# KiCad board processor.80C188.kicad_pcb (continued)
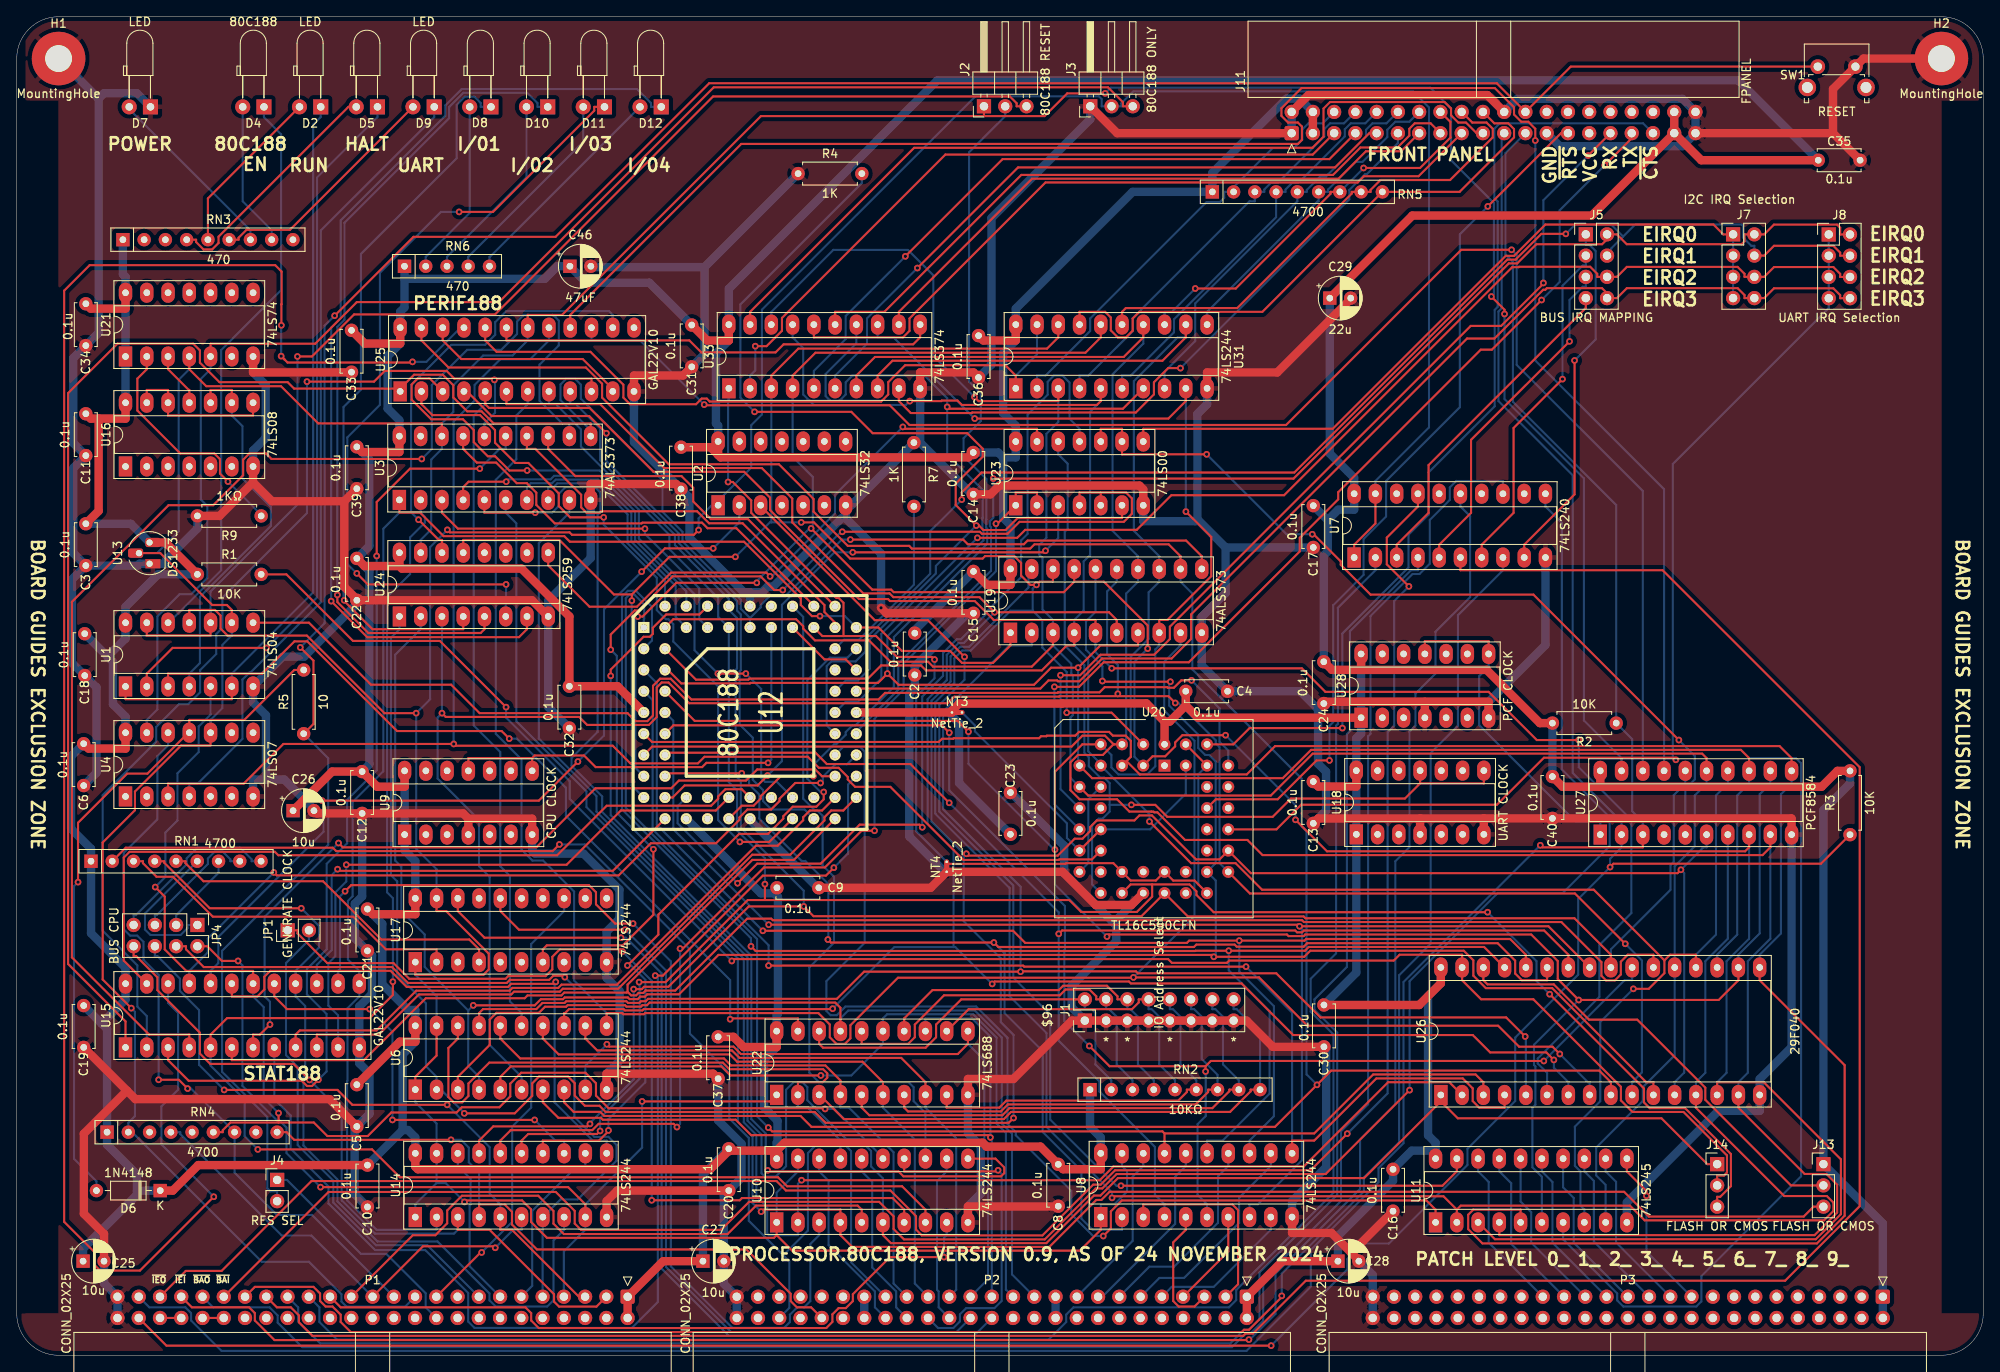
[diagram p0: board, top side]
## Routing (per net, layer and track width the routed paths; a pad name or vN(x,y) marks a point on that pad's centre or on a via; arc(x,y) is an arc through that point) (continued)
~{DEN}: length 93.8
  Top w0.25: v1(30.72,57.71) 31.07,57.36 71.94,57.36 75.78,61.21 83.57,61.21 86.36,64 86.36,64.28 87.32,65.24 90.15,65.24 91.16,66.25 91.16,66.53 93.03,68.41 v1(96.05,68.41)
  Bottom w0.25: U15.21 20.62,45.95 22.84,48.16 22.84,49.82 v1(30.72,57.71) ; v1(96.05,68.41) 96.33,68.69 96.33,69.15 97.83,70.64 99.22,70.64 U12.39
~{DREQ0}: length 144.1
  Top w0.25: RN1.2 13.03,60.67 37.77,60.67 38.18,60.26 64.05,60.26 v1(64.85,61.06)
  Bottom w0.25: 91.6,11.96 92.32,11.24 92.32,5.66 P2.46 ; 91.6,11.96 87.48,16.08 87.48,25.98 85.15,28.31 85.15,33.74 80.44,38.45 80.44,48.51 67.89,61.06 v1(64.85,61.06) ; 91.6,11.96 94.55,14.9 94.55,24.18 95.4,25.03 98.43,25.03 U10.17
~{DREQ1}: length 82
  Top w0.25: v1(51.9,25.75) 33.16,25.75 32.24,26.67 RN4.9 ; U14.4 55.25,18.05 58.29,18.05 59.18,17.15 59.18,15.63 62.17,12.65 87.2,12.65 92.48,7.36 92.48,6.47 93.23,5.73 94.93,5.73 P2.42
  Bottom w0.25: U14.4 55.25,21.84 54.02,23.07 54.02,24.82 53.09,25.75 v1(51.9,25.75)
~{EIRQ0}: length 238.5
  Top w0.25: v1(166.36,91.91) 163.72,94.55 163.72,97.74 167.44,101.46 U7.17 ; P1.45 20.2,10.08 24.48,10.08 35.22,20.83 90.79,20.83 91.92,19.69 104.4,19.69 107.46,16.63 107.46,15.02 108.16,14.32 122.56,14.32 128.63,20.39 129.53,20.39 131.25,22.11 154.62,22.11 v1(159,26.49)
  Bottom w0.25: v1(159,26.49) 163.82,31.31 163.82,74.47 164.6,75.25 164.6,90.15 v1(166.36,91.91)
~{EIRQ1}: length 242.9
  Top w0.25: v1(147.25,1.87) 147.19,1.82 30.8,1.82 28.46,4.16 28.46,5.04 27.77,5.73 20.93,5.73 P1.43
  Bottom w0.25: U7.15 172.52,101.46 173.68,100.3 173.68,90.62 169.54,86.48 169.54,81.48 167.14,79.08 167.14,75.25 166.43,74.54 166.43,60.74 164.74,59.05 164.74,29.98 160.53,25.76 160.53,19.88 150.42,9.78 150.42,4.95 147.35,1.87 v1(147.25,1.87)
~{EIRQ2}: length 248.6
  Bottom w0.25: P1.41 23.47,5.73 30.21,5.73 31.18,4.76 31.18,3.9 34.11,0.97 145.22,0.97 146.84,2.6 147.44,2.6 148.96,4.12 148.96,9.15 158.25,18.44 158.25,26.76 161.49,30.01 161.49,73.98 161.78,74.27 161.78,88.37 166.8,93.39 167.63,93.39 168.86,94.61 168.86,99.85 171.25,102.25 171.25,103.74 172.02,104.51 177.6,104.51 U7.13
~{EIRQ3}: length 250.1
  Top w0.25: P1.39 37.26,19.52 64.42,19.52 66.68,17.25 66.68,15.75 67.44,14.99 84.17,14.99 87.52,18.34 103.05,18.34 104.78,16.61 104.78,15.1 106.02,13.85 122.85,13.85 128.94,19.94 129.72,19.94 131.44,21.66 156.41,21.66 v1(166.45,31.69)
  Bottom w0.25: v1(166.45,31.69) 166.45,44.71 177,55.27 184.75,55.27 190.36,60.88 190.36,64.31 184.64,70.03 184.64,99.5 182.68,101.46 U7.11
~{EIRQ4}: length 228.7
  Top w0.25: v1(151.17,7.1) 151.17,6.96 147.25,3.05 146.66,3.05 146.38,2.77 39.92,2.77 38.71,3.98 38.71,4.85 37.74,5.82 36.91,5.82 36.25,6.49 36.25,7.39 35.46,8.18 28.46,8.18 P1.37
  Bottom w0.25: U7.8 177.6,93.84 172.22,88.46 172.22,75.25 168.97,72 168.97,49.2 165.19,45.42 165.19,25.46 160.98,21.25 160.98,19.57 151.17,9.76 v1(151.17,7.1)
~{EIRQ5}: length 310.7
  Top w0.25: U7.6 172.52,93.84 196.69,93.84 220.23,70.3 220.23,17.82 211.32,8.91 154.04,8.91 147.73,2.6 146.84,2.6 146.57,2.32 35.34,2.32 33.72,3.93 33.72,4.76 32.75,5.73 31.09,5.73 P1.35
~{EIRQ6}: length 222.3
  Bottom w0.25: U7.4 167.44,93.84 166.61,93.84 159.31,86.54 159.31,74.6 158.95,74.25 158.95,46.41 155.08,42.54 155.08,41.29 157.8,38.58 157.8,19.19 148.51,9.9 148.51,4.3 147.25,3.05 146.66,3.05 145.03,1.42 36.26,1.42 33.63,4.05 33.63,5.73 P1.33
~{EIRQ7}: length 214.4
  Bottom w0.25: P1.31 36.17,5.73 36.17,3.98 38.27,1.87 123.31,1.87 125.41,3.97 125.41,4.86 126.28,5.73 144.86,5.73 145.73,6.6 145.73,7.81 157.35,19.43 157.35,38.35 154.63,41.07 154.63,45 157.66,48.04 157.66,75.26 157.88,75.47 157.88,89.35 162.36,93.84 U7.2
~{EXT_RES}: length 310.8
  Top w0.25: R5.1 35.46,75.46 35.46,83.03 v1(33.88,84.61) ; SW1.1 185.71,154.04 J11.24 176.86,152.05 82.75,152.05 64.39,133.69 47.41,133.69 v1(37.99,124.27)
  Bottom w0.25: J4.2 31.11,19.6 30.31,19.6 29.94,19.96 29.94,28.48 24.53,33.89 24.53,48.34 37.22,61.03 37.22,71.37 R5.1 ; v1(33.88,84.61) 36.79,87.51 36.79,123.06 v1(37.99,124.27)
~{FP-LATCH-RD}: length 82.8
  Top w0.25: U31.1 119.38,117.11 118.14,118.35 106.17,118.35 104.15,116.32 104.15,114.85 103.3,114 82.81,114 82.45,114.36 81.85,114.36 81.17,113.68 73.29,113.68 72.49,114.48 72.49,116.01 68.56,119.95 57.35,119.95 55.98,121.31 U25.20
  Bottom w0.25: U31.19 121.93,119.65 119.38,117.11 U31.1
~{G_DATA}: length 102.1
  Top w0.25: v1(67.06,70.97) 62.38,66.29 v1(36.49,66.29) ; v1(83.23,96.45) 77.46,96.45 v1(74.68,93.67)
  Bottom w0.25: U15.20 23.16,45.95 24.08,46.87 24.08,50 36.66,62.58 36.66,66.12 v1(36.49,66.29) ; v1(67.06,70.97) 70.18,74.09 70.18,89.17 v1(74.68,93.67) ; U2.2 86.36,99.58 v1(83.23,96.45)
~{HALT}: length 72.8
  Top w0.25: P1.27 47.33,14.35 50.02,14.35 51.44,15.77 51.44,17.31 53.2,19.07 62.32,19.07 64.14,17.25 64.14,15.73 65.38,14.49 84.94,14.49 88.34,17.89 100.49,17.89 100.97,17.41 U10.5
~{INT-I2C}: length 100.6
  Top w0.25: v1(198.63,73.54) 181.24,90.92 161.79,90.92 158.22,94.49 158.22,94.89 154.97,98.14 v1(154.82,98.14) ; v1(142.19,107.69) 132.08,107.69 U23.9 132.08,110.75 129.54,110.75 U23.10
  Bottom w0.25: U27.5 199.4,67.7 200.53,68.84 200.53,71.63 v1(198.63,73.54) ; v1(154.82,98.14) 151.75,98.14 v1(142.19,107.69)
~{IORQ}: length 114.5
  Top w0.25: v1(74.73,30.34) 90.03,30.34 U22.1 ; v1(36.31,20.1) 65.9,20.1 67.95,18.05 U14.9 ; v1(26.45,47.14) 24.52,47.14 22.77,48.9 JP4.2
  Bottom w0.25: v1(26.45,47.14) 26.97,46.61 26.97,32.21 31.13,28.05 31.41,28.05 32.24,27.22 32.24,24.16 v1(36.31,20.1) ; P1.7 65.38,12.42 67.95,14.99 U14.9 67.95,18.05 74.73,24.83 v1(74.73,30.34)
~{M1}: length 20.9
  Bottom w0.25: P1.11 61.6,8.3 61.6,17.26 66.95,22.61 67.95,22.61 U14.12
~{MREQ}: length 95.5
  Top w0.25: v1(65.49,45.19) 65.33,45.36 64.11,45.36 63.62,44.87 58.92,44.87 58.55,44.5 46.76,44.5 44.86,46.4 22.35,46.4 20.23,48.53 20.23,48.9 JP4.4
  Bottom w0.25: v1(65.49,45.19) 66.64,44.05 66.64,28.49 69.04,26.09 70.01,26.09 70.04,26.12 70.7,26.12 71.66,25.15 71.66,23.26 67.03,18.63 64.98,18.63 U14.7 62.87,14.99 62.84,14.96 P1.9
~{NMI}: length 54
  Top w0.25: v1(55.56,12.29) 55.43,12.29 P1.19
  Bottom w0.25: v1(55.56,12.29) 59.2,15.94 59.2,27.34 61.47,29.61 61.47,49.16 65.41,53.09 U17.13
~{ONB_IO}: length 227.4
  Top w0.25: v1(47.29,118.75) 47.21,118.67 32.36,118.67 32,119.02 ; 32,119.02 31.83,119.2 ; 32,119.02 v1(31.6,119.43) ; v1(31.62,123.11) 31.62,125.62 31.65,125.64 31.65,129.54 30.89,130.3 8.71,130.3 5.66,127.25 5.66,15.96 9.3,12.32 9.3,10.78 9.96,10.12 14.72,10.12 v1(23.55,18.95)
  Bottom w0.25: v1(23.55,18.95) 17.29,25.2 17.29,29.76 19.28,31.75 19.28,40.92 18.08,42.12 U15.22 ; U25.21 53.04,122.83 48.95,118.75 v1(47.29,118.75) ; v1(31.6,119.43) 31.6,123.09 v1(31.62,123.11)
~{PCS1}: length 95.3
  Top w0.25: U15.23 12.79,47.17 12.79,59.49 13.48,60.18 30.85,60.18 31.26,59.77 64.58,59.77 70.5,65.69 82.98,65.69 83.82,66.53 83.82,66.8 84.68,67.66 86.64,67.66 U12.27
~{PCS4}: length 83.8
  Top w0.25: v1(70.14,100.16) 66.13,100.16 64.78,101.51 64.78,103.02 61.14,106.66 59.58,106.66 57.16,109.08 57.16,110.59 55.36,112.38 49.67,112.38 48.36,113.69 U25.2 ; v1(86.42,61.36) 89.94,61.36 U12.30
  Bottom w0.25: v1(70.14,100.16) 70.14,99.29 76.48,92.94 76.48,89.07 77.57,87.98 77.88,87.98 78.46,87.4 78.46,85.31 83.81,79.95 83.81,63.97 v1(86.42,61.36)
~{PCS5}: length 84.7
  Top w0.25: v1(87.13,81.48) v1(83.79,81.48) ; U25.3 49.35,116.76 47.91,116.76 47.19,116.04 47.19,114.23 49.53,111.89 53.32,111.89 54.62,110.59 54.62,109.14 56.3,107.46 57.17,107.46 58.87,105.76 v1(61,105.76)
  Bottom w0.25: v1(61,105.76) 69.66,105.76 74.34,101.07 74.34,97.62 81,90.97 81,84.28 v1(83.79,81.48) ; v1(87.13,81.48) 88.96,79.65 88.96,69.01 89.43,68.54 90.84,68.54 U12.31
~{PCS6}: length 77.9
  Top w0.25: U25.4 53.8,115.21 56.75,112.27 68.4,112.27 v1(70.46,110.21)
  Bottom w0.25: v1(70.46,110.21) 70.46,106.89 79.11,98.24 79.11,97.1 86.08,90.14 86.08,89.01 86.53,88.56 86.53,81.91 86.39,81.77 86.39,75.39 87.96,73.82 87.96,68.78 89.18,67.56 89.18,66.24 90.19,65.24 94.15,65.24 U12.32
~{RD}: length 88
  Top w0.25: v1(34.98,32.91) 33.07,34.82 23.12,34.82 21.89,36.06 21.89,38.56 16.81,43.64 16.81,45.17 14.26,47.72 13.97,47.72 JP4.8 ; U14.3 52.71,14.99 56.51,14.99 64.2,7.3 64.2,6.42 64.81,5.82 69.28,5.82 P1.3
  Bottom w0.25: U14.3 52.71,14.99 52.26,14.54 42.81,14.54 38.83,18.52 38.83,29.07 v1(34.98,32.91)
~{RES_IN}: length 26.8
  Bottom w0.25: J4.1 32.29,20.96 41.12,12.13 44.16,12.13 48.87,7.41 48.87,5.73 P1.20
~{RES_OUT}: length 441.4
  Top w0.25: U4.10 23.16,72.89 19.64,72.89 14.13,67.38 14.13,65.15 10.27,61.29 10.27,44.91 v1(13.69,41.49) ; U25.18 61.06,124.36 65.17,124.36 88.93,148.12 115.59,148.12 ; v1(176.22,126.55) 177.79,124.98 v1(177.79,124.47) ; v1(130.07,150.84) 125.54,150.84 122.82,148.12 115.59,148.12 ; 14.6,95.88 17.15,95.88 23.36,89.68 25.11,89.68 25.7,89.09 U1.9 ; 115.59,148.12 J2.1 ; 50.81,109.86 50.81,111.39 36.03,111.39 31.58,115.84 22.65,115.84 20.62,117.86 U21.4
  Bottom w0.25: 14.6,95.88 16.76,95.88 19.35,98.48 19.35,116.59 20.62,117.86 U21.4 ; 13.34,27.12 29.28,11.18 34.93,11.18 38.8,7.3 38.8,6.42 39.41,5.82 46.42,5.82 P1.21 ; 13.34,27.12 13.34,27.8 14.13,28.59 14.13,41.06 v1(13.69,41.49) ; 13.34,27.12 RN4.2 ; v1(130.07,150.84) 130.75,151.53 168.9,151.53 171.4,149.03 171.4,142.85 176.52,137.73 176.52,126.85 v1(176.22,126.55) ; U27.19 191.78,71.39 187.28,75.88 187.28,104.81 177.79,114.3 v1(177.79,124.47) ; U4.10 23.16,75.95 24.57,77.36 24.57,84.92 25.7,86.04 U1.9 ; U24.15 48.28,97.46 49.53,98.72 49.53,107.07 50.81,108.34 50.81,111.39 52.17,112.76 52.17,115.94 55.74,119.51 59.26,119.51 61.06,121.31 U25.18
~{RFSH}: length 84.2
  Top w0.25: v1(110.81,11.74) 104.35,11.74 99.92,7.3 99.92,6.47 99.08,5.64 98.21,5.64 97.47,4.89 97.47,3.99 96.74,3.26 62.38,3.26 61.48,4.16 61.48,5.04 60.79,5.73 38.71,5.73 P1.29
  Bottom w0.25: v1(110.81,11.74) 110.81,14.04 111.13,14.36 U10.9
~{RTS}: length 104.3
  Top w0.25: v1(156.87,71.1) 155.33,71.1 150.68,66.46 143.29,66.46 U20.36 ; v1(175.79,137.33) 184.54,146.08 J11.27
  Bottom w0.25: v1(175.79,137.33) 172.45,133.99 172.45,113.33 163.63,104.51 163.63,100.25 160.95,97.57 160.95,93.29 157.32,89.66 157.32,75.69 156.87,75.23 v1(156.87,71.1)
~{UCS}: length 220.3
  Top w0.25: 73,43.44 73.42,43.02 74.02,43.02 74.32,43.32 74.88,43.32 75.16,43.6 78.69,43.6 87.29,52.19 90.16,52.19 90.35,52 153.6,52 153.82,51.79 184.58,51.79 189.37,46.99 189.37,45.36 189.92,44.82 190.98,44.82 191.69,45.52 191.69,47.05 192.52,47.88 195.58,47.88 U26.22 ; 73,43.44 73,44.3 87.91,59.21 92.87,59.21 U12.34 ; 73,43.44 72.9,43.35 65.42,43.35 65.08,43.01 61.03,43.01 60.7,42.68 48.88,42.68 41.48,35.27 25.7,35.27 U15.6
~{WAIT}: length 55.2
  Top w0.25: v1(57.18,12.85) 57.01,13.02 48.54,13.02 P1.25
  Bottom w0.25: U14.6 60.33,14.99 59.33,14.99 v1(57.18,12.85) ; RN4.4 19.54,26.67 19.54,26.44 31.67,14.31 35.21,14.31 P1.25
~{WR_LS259}: length 52.1
  Top w0.25: U24.14 50.81,97.46 50.44,97.46 v1(48.02,99.88)
  Bottom w0.25: v1(48.02,99.88) 47.12,100.77 47.12,115.98 51.93,120.78 55.97,120.78 57.17,121.98 57.17,123.49 58.5,124.81 70.77,124.81 71.22,124.36 U25.14
~{WR}: length 79.2
  Top w0.25: v1(51.44,29.93) 40.11,29.93 38.33,31.72 v1(24.79,31.72) ; P1.5 67.18,7 59.18,14.99 57.79,14.99 U14.5
  Bottom w0.25: U14.5 57.79,18.05 56.52,19.32 56.52,24.87 53.19,28.19 53.18,28.19 v1(51.44,29.93) ; JP4.6 16.51,47.72 16.8,47.72 19.49,45.03 19.49,43.55 21.78,41.26 21.78,34.72 v1(24.79,31.72)
Net-(D2-Pad1): length 89.4
  Top w0.25: U1.1 13,78.42 25.7,78.42 U1.6
  Bottom w0.25: D2.1 36.33,148 35.42,147.1 35.42,91.19 25.7,81.47 U1.6
Net-(D4-Pad1): length 68.2
  Bottom w0.25: D4.1 29.54,148 31.59,145.95 31.59,127.33 24.43,120.17 24.43,93.84 18.16,87.57 U1.12
Net-(D5-Pad1): length 87.3
  Top w0.25: v1(29.85,84.55) 18.62,84.55 15.54,81.47 U1.2
  Bottom w0.25: v1(29.85,84.55) 35.89,90.59 35.89,140.78 43.11,148 D5.1
Net-(D6-Pad2): length 80.7
  Top w0.25: R5.2 33.16,81.91 27.2,75.95 20.62,75.95 U4.11 20.51,74.42 15.62,69.53 13.2,69.53 7.32,63.65 v1(7.32,56.56)
  Bottom w0.25: v1(7.32,56.56) 6.84,56.08 6.84,23.49 9.52,20.81 9.52,19.69
Net-(D8-Pad1): length 87.4
  Top w0.25: v1(39.14,90.24) 39.14,90.16 42.5,86.79 53.36,86.79 U24.4
  Bottom w0.25: v1(39.14,90.24) 39.05,90.33 39.05,113.35 41.13,115.43 41.13,131.65 52.57,143.08 52.57,149.47 53.55,150.45 54.68,150.45 55.45,149.68 55.45,149.22 D8.1
Net-(D8-Pad2): length 21.2
  Bottom w0.25: D8.2 54.13,136.56 48.88,131.3 RN6.2
Net-(D9-Pad1): length 95.2
  Bottom w0.25: D9.1 49.89,148 36.34,134.45 36.34,90.01 27.94,81.61 27.81,81.61 26.97,80.77 26.97,73.68 21.62,68.33 20.62,68.33 U4.4
Net-(D10-Pad1): length 99
  Top w0.25: v1(38.31,90.89) 38.31,90.04 42.02,86.33 55.44,86.33 55.89,86.79 U24.5
  Bottom w0.25: v1(38.31,90.89) 38.31,122.93 39.16,123.78 39.16,135.36 51.67,147.87 51.67,149.2 53.38,150.91 61,150.91 62.23,149.68 62.23,149.22 D10.1
Net-(D10-Pad2): length 23
  Bottom w0.25: 51.42,130.18 51.42,131.3 60.91,140.8 D10.2
Net-(D11-Pad1): length 95.6
  Top w0.25: v1(40.64,93.46) 41.96,92.14 v1(58.47,92.14) ; D11.1 69.01,149.22 69.01,148.77 56.92,136.67 v1(52.87,136.67)
  Bottom w0.25: U24.6 58.44,89.84 58.47,89.88 v1(58.47,92.14) ; v1(52.87,136.67) 50.69,136.67 43.4,129.38 43.4,113.6 39.5,109.71 39.5,94.6 v1(40.64,93.46)
Net-(D11-Pad2): length 24.7
  Bottom w0.25: D11.2 67.7,145.04 53.95,131.3 RN6.4
Net-(D12-Pad1): length 119.8
  Top w0.25: v1(37.58,90.14) 37.58,90.14 41.88,85.84 60.02,85.84 60.97,86.79 U24.7
  Bottom w0.25: D12.1 75.79,149.22 75.79,149.68 74.12,151.36 53.17,151.36 51.22,149.4 51.22,148.17 38.71,135.67 38.71,123.97 37.58,122.83 v1(37.58,90.14)
Net-(D12-Pad2): length 26.5
  Bottom w0.25: 56.5,130.18 56.5,131.3 56.55,131.3 D12.2
Net-(J1-Pad2): length 49.3
  Top w0.25: J1.2 112.87,42.54 109.86,39.53 109.86,38.01 108.61,36.76 96.35,36.76 95.89,37.22 U22.18
  Bottom w0.25: RN2.2 130.79,32.88 128.91,34.77 128.91,40.93 128.47,41.37 127.63,41.37 J1.2
Net-(J1-Pad4): length 47.3
  Top w0.25: 130.18,42.54 129,42.54 129,42.91 128.19,43.72 125.34,43.72 124.65,43.03 110.82,43.03 107.32,39.53 107.32,38.01 106.53,37.22 100.97,37.22 U22.16
  Bottom w0.25: 130.18,42.54 130.18,41.37 130.54,41.37 131.44,40.47 131.44,34.77 133.34,32.88 RN2.3
Net-(J1-Pad6): length 43
  Top w0.25: U22.14 106.05,40.27 109.43,43.65 124.53,43.65 125.04,44.17 130.28,44.17 131.54,42.91 131.54,42.54 J1.6
  Bottom w0.25: RN2.4 135.88,32.88 133.99,34.77 133.99,40.47 133.08,41.37 132.72,41.37 J1.6
Net-(J1-Pad8): length 38.2
  Top w0.25: J1.8 134.08,42.54 134.08,42.18 133.27,41.37 113.75,41.37 U22.12
  Bottom w0.25: RN2.5 138.41,32.88 136.53,34.77 136.53,40.47 135.62,41.37 135.25,41.37 J1.8
Net-(J1-Pad10): length 44.7
  Top w0.25: 140.96,31.75 139.83,31.75 139.83,31.47 138.8,30.44 118.26,30.44 117.42,29.6 111.13,29.6 U22.9
  Bottom w0.25: 140.96,31.75 140.96,32.88 139.06,34.77 139.06,40.47 138.16,41.37 137.79,41.37 J1.10
Net-(J1-Pad12): length 52.7
  Top w0.25: U22.7 106.05,29.6 106.5,29.15 117.61,29.15 118.44,29.99 140.89,29.99 142.37,31.47 142.37,31.75 RN2.7
  Bottom w0.25: 140.34,42.54 140.34,41.37 140.7,41.37 141.6,40.47 141.6,35.41 143.5,33.52 RN2.7
Net-(J1-Pad14): length 60.7
  Top w0.25: RN2.8 144.91,31.75 144.91,31.57 142.88,29.54 118.63,29.54 117.78,28.69 101.88,28.69 100.97,29.6 U22.5
  Bottom w0.25: J1.14 142.88,41.37 143.24,41.37 144.15,40.47 144.15,34.77 146.03,32.88 RN2.8
Net-(J1-Pad16): length 67.8
  Top w0.25: RN2.9 147.45,31.75 147.45,31.55 144.99,29.09 118.82,29.09 117.96,28.23 98.84,28.23 95.95,31.12 U22.3
  Bottom w0.25: RN2.9 148.57,38.58 145.78,41.37 145.41,41.37 J1.16
Net-(J5-Pad1): length 42.9
  Top w0.25: v1(186.16,118.91) 186.16,102.9 180.14,96.89 U7.9
  Bottom w0.25: J5.1 187.5,132.81 187.87,132.81 188.68,132 188.68,121.43 v1(186.16,118.91)
Net-(J5-Pad3): length 41.5
  Top w0.25: v1(184.72,116.69) 178.87,110.84 178.87,100.7 175.06,96.89 U7.7
  Bottom w0.25: J5.3 187.5,130.27 187.14,130.27 184.72,127.85 v1(184.72,116.69)
Net-(J5-Pad5): length 41
  Top w0.25: v1(185.56,121.19) 173.79,109.43 173.79,100.7 169.98,96.89 U7.5
  Bottom w0.25: v1(185.56,121.19) 185.56,126.15 187.14,127.73 187.5,127.73 J5.5
Net-(J5-Pad7): length 40.4
  Top w0.25: U7.3 164.9,96.89 168.71,100.7 168.71,106.4 187.5,125.19 J5.7
Net-(J7-Pad1): length 90.2
  Top w0.25: U23.8 134.62,110.75 157.26,110.75 177.93,131.42 178.93,131.42 182.67,135.16 202.75,135.16 203.93,133.99 J7.1
  Bottom w0.25: J7.1 J7.3 J7.5 J7.7
Net-(J11-Pad5): length 85.9
  Top w0.25: v1(88.26,120.62) 89.6,120.62 91.44,122.46 91.44,124 110.97,143.53 154.87,143.53 J11.5
  Bottom w0.25: U33.2 87.64,117.11 88.26,117.73 v1(88.26,120.62)
Net-(J11-Pad7): length 80.2
  Top w0.25: J11.7 156.87,142.98 117.81,142.98 v1(106.19,131.36)
  Bottom w0.25: U33.5 95.25,117.66 99.06,121.47 99.06,124.24 v1(106.19,131.36)
Net-(J11-Pad9): length 80
  Top w0.25: J11.9 161.63,146.08 157.54,141.99 119.66,141.99 v1(107.63,129.96)
  Bottom w0.25: v1(107.63,129.96) 101.6,123.94 101.6,120.92 97.79,117.11 U33.6
Net-(J11-Pad11): length 77.8
  Top w0.25: v1(139.07,118) 137.59,118 135.9,116.3 135.9,114.86 133.73,112.69 114.18,112.69 114.11,112.63 106.84,112.63 105.41,114.05 U33.9
  Bottom w0.25: J11.11 165.05,144.9 161.34,141.18 161.13,141.18 159.24,139.29 159.24,138.17 v1(139.07,118)
Net-(J11-Pad13): length 72.5
  Top w0.25: J11.13 165.43,143.92 161.23,143.92 157.95,140.64 121.33,140.64 105.41,124.73 U33.12
Net-(J11-Pad15): length 84.2
  Top w0.25: U33.15 97.79,124.73 103.68,124.73 120.04,141.09 157.29,141.09 160.57,144.37 165,144.37 166.41,145.79 166.41,146.61 167.07,147.26 168.95,147.26 J11.15
Net-(J11-Pad17): length 89.9
  Top w0.25: U33.16 95.25,121.67 105.91,121.67 106.69,122.45 106.69,123.93 122.94,140.19 160.24,140.19 160.99,140.93 167.52,140.93 J11.17
Net-(J11-Pad19): length 103.5
  Top w0.25: U33.19 87.64,124.73 107.24,144.33 154.83,144.33 156.16,145.67 156.16,149.02 156.94,149.81 170.63,149.81 171.4,149.04 171.4,148.21 172.26,147.35 173.18,147.35 174.45,146.08 J11.19
Net-(J13-Pad2): length 53.2
  Top w0.25: U26.30 175.26,44.83 175.75,44.34 183.67,44.34 187.89,40.12 193.65,40.12 201.79,31.98 201.79,30.54 212.02,20.31 J13.2
Net-(J14-Pad2): length 214.2
  Top w0.25: v1(58.47,77.48) 50.56,85.39 40.18,85.39 32.22,93.34 R1.2 ; v1(85.45,47.13) 85.67,47.36 137.59,47.36 138.04,46.91 144.61,46.91 144.89,47.18 164.55,47.18 165.25,47.88 172.72,47.88 U26.31 172.72,44.83 174.99,42.56 181.23,42.56 191.7,32.09 191.7,30.47 193.08,29.08 199.18,29.08 204.38,23.89 204.38,21.85 204.01,21.48 203.2,21.48 J14.2
  Bottom w0.25: v1(58.47,77.48) 58.47,76.23 66.07,68.63 66.07,66.51 v1(85.45,47.13)
Net-(JP1-Pad1): length 108.6
  Top w0.25: v1(75.88,18.53) 86.4,18.53 86.67,18.8 104.66,18.8 106.05,17.41 U10.7 ; JP1.1 33.56,50.8 33.56,50.43 37.11,46.88 45.02,46.88 46.9,45 58.42,45 58.74,45.32 63.2,45.32 64,46.13 64,47.63 64.9,48.53 72.11,48.53 v1(72.38,48.26)
  Bottom w0.25: v1(75.88,18.53) 75.88,44.75 v1(72.38,48.26)
Net-(JP4-Pad1): length 18
  Bottom w0.25: RN1.6 15.32,52.8 15.32,50.89 15.97,50.24 19.59,50.24 20.41,51.07 20.41,51.44 JP4.1
Net-(JP4-Pad3): length 9.7
  Bottom w0.25: JP4.3 19.05,52.61 24.12,57.68 RN1.7
Net-(JP4-Pad5): length 15.5
  Bottom w0.25: RN1.8 25.53,59.06 25.53,59.29 24.62,60.2 23.66,60.2 22.84,59.39 22.84,58.72 16.73,52.61 16.51,52.61 JP4.5
Net-(JP4-Pad7): length 21
  Bottom w0.25: JP4.7 13.97,52.61 14.23,52.61 20.3,58.68 20.3,59.39 21.59,60.67 26.68,60.67 28.07,59.29 28.07,59.06 RN1.9
Net-(P1-Pad40): length 2.5
  Top w0.25: P1.42 P1.40
Net-(P1-Pad44): length 2.5
  Top w0.25: P1.46 P1.44
Net-(R9-Pad1): length 28
  Top w0.25: v1(25.24,104.44) 24.29,105.39 24.29,107.12 23.61,107.79 19.55,107.79 14.41,112.93 14.41,116.74 15.54,117.86 U21.2
  Bottom w0.25: R9.1 29.21,100.47 v1(25.24,104.44)
Net-(U1-Pad3): length 103.4
  Top w0.25: U22.19 93.35,40.27 85.35,40.27 v1(85.25,40.17) ; U1.3 18.08,81.47 29.33,81.47 33.19,85.33 34.73,85.33 45.45,74.61 57.95,74.61 v1(58.86,73.71)
  Bottom w0.25: v1(58.86,73.71) 59.76,73.71 65.62,67.84 65.62,64.48 85.25,44.85 v1(85.25,40.17)
Net-(U1-Pad4): length 45.5
  Top w0.25: U16.9 25.7,115.39 23.16,115.39 U16.10
  Bottom w0.25: U1.4 20.62,81.47 21.89,82.74 21.89,90.66 30.37,99.14 30.37,101.4 26.97,104.8 26.97,111.07 25.7,112.34 U16.9
Net-(U1-Pad8): length 135.3
  Top w0.25: v1(140.39,80.68) 139.17,80.68 138.28,79.79 137.56,79.79 137.48,79.86 130.01,79.86 129.39,79.24 124.43,79.24 124.37,79.18 103.76,79.18 102.97,78.39 80.63,78.39 78.15,80.87 76.87,80.87 76.03,80.03 76.03,76.47 75.36,75.8 73.94,75.8 72.99,76.75 55.31,76.75 51.91,80.16 42.33,80.16 34.92,87.57 U1.8
  Bottom w0.25: v1(140.39,80.68) 143.73,77.34 143.73,73.33 144.78,72.28 U20.39
Net-(U11-Pad19): length 148.1
  Top w0.25: U11.19 172.09,21.98 170.37,20.26 v1(131.96,20.26) ; U2.3 88.89,101.51 102.54,87.87 108.88,87.87 v1(113.26,83.49)
  Bottom w0.25: v1(113.26,83.49) 113.26,80.75 110.25,77.74 110.25,64.99 119.09,56.14 119.09,45.13 123.5,40.72 123.5,28.17 131.41,20.26 v1(131.96,20.26)
Net-(U12-Pad19): length 74.7
  Top w0.25: v1(89.72,69.3) 88.54,68.11 79.81,68.11 78.38,66.68 U12.19 ; v1(99.9,95.98) 122.75,95.98 v1(122.94,96.17)
  Bottom w0.25: v1(99.9,95.98) 97.71,95.98 91.44,89.7 91.44,71.02 v1(89.72,69.3) ; v1(122.94,96.17) 124.46,97.69 U23.3
Net-(U12-Pad25): length 72.2
  Top w0.25: U12.25 83.54,65.12 72.2,65.12 65.71,58.63 v1(39.38,58.63)
  Bottom w0.25: v1(39.38,58.63) 39.38,56.64 38.08,55.34 38.08,47.71 37.23,46.86 37.23,41.8 38.4,40.63 U15.11
Net-(U12-Pad35): length 78
  Top w0.25: U12.35 98.78,65.12 97.33,65.12 96.52,64.31 96.52,63.92 92.43,59.83 87.89,59.83 71.87,43.81 65.25,43.81 64.9,43.46 59.42,43.46 59.09,43.13 48.06,43.13 43.25,38.33 35.86,38.33 U15.10
Net-(U12-Pad36): length 78
  Top w0.25: U15.9 33.32,38.33 33.82,38.83 42.99,38.83 47.74,43.58 58.9,43.58 59.24,43.91 64.71,43.91 65.1,44.3 71.72,44.3 88.33,60.91 90.94,60.91 93.98,63.95 93.98,64.31 94.79,65.12 96.24,65.12 U12.36
Net-(U12-Pad37): length 148
  Top w0.25: v1(76.3,45.38) 77.21,45.38 89.16,57.33 96.7,57.33 v1(97.65,58.28)
  Bottom w0.25: v1(76.3,45.38) 76.61,45.07 76.61,6.38 73.5,3.27 54.7,3.27 53.95,4.03 53.95,7.44 48.81,12.58 42.82,12.58 37.26,18.14 37.26,20.17 32.73,24.7 32.73,28.67 30.78,30.62 U15.8 ; v1(97.65,58.28) 99.34,59.98 99.34,68.23 U12.37
Net-(U12-Pad38): length 93.4
  Top w0.25: v1(30.26,39.54) 29.05,38.33 28.24,38.33 U15.7 ; v1(38.45,61.23) 38.97,60.71 62.09,60.71 69.15,67.77 78.21,67.77 79.13,68.7 87.15,68.7 88.48,70.02 95.41,70.02 96.22,69.22 U12.38
  Bottom w0.25: v1(38.45,61.23) 29.62,52.4 29.62,42.9 30.26,42.26 v1(30.26,39.54)
Net-(U12-Pad47): length 9.7
  Top w0.25: U12.57 96.52,83.19 99.06,83.19 U12.47
Net-(U12-Pad59): length 56.1
  Top w0.25: 61.59,71.39 61.9,71.69 67.79,71.69 69.18,70.3 81.9,70.3 82.41,70.81 v1(89.78,70.81) ; 61.59,71.39 53.97,71.39 U9.11 ; 61.59,71.39 U9.8
  Bottom w0.25: U12.59 90.17,71.2 v1(89.78,70.81)
Net-(U12-Pad65): length 41.5
  Top w0.25: U3.3 50.81,100.72 52.71,98.81 75.06,98.81 v1(75.07,98.8)
  Bottom w0.25: v1(75.07,98.8) 75.07,98.17 81.56,91.68 81.56,87.98 U12.65
Net-(U12-Pad66): length 38.3
  Top w0.25: U3.4 53.34,103.77 54,104.42 v1(58.49,104.42)
  Bottom w0.25: U12.66 80.01,91.32 73.89,97.44 73.89,100.89 69.66,105.12 64.22,105.12 63.8,104.7 58.78,104.7 v1(58.49,104.42)
Net-(U12-Pad67): length 32.4
  Bottom w0.25: U3.7 60.97,103.77 61.44,104.25 63.98,104.25 64.4,104.67 69.48,104.67 73.44,100.7 73.44,97.25 78.74,91.96 78.74,88.26 U12.67
Net-(U12-Pad68): length 25.6
  Bottom w0.25: U12.68 77.47,92.59 72.99,97.07 72.99,100.52 69.29,104.22 64.59,104.22 64.14,103.77 63.5,103.77 U3.8
Net-(U16-Pad12): length 18.8
  Top w0.25: U16.8 28.24,112.34 18.08,112.34 U16.12 18.08,115.39 15.54,115.39 U16.13
Net-(U17-Pad7): length 133.3
  Top w0.25: 129.54,103.13 127,103.13 U23.4 ; 129.54,103.13 U23.5 ; 129.54,103.13 132.56,103.13 133.26,102.43 133.26,100.59 132.29,99.62 119.83,99.62 118.4,98.19 115.34,98.19 115.1,98.43 v1(98.65,98.43) ; v1(70.98,84.34) 70.98,86.15 73.86,89.03 74.3,89.03 78.38,93.1 88.89,93.1 90.52,91.47 v1(91.54,91.47) ; v1(76.08,60.48) 76.08,52.65 72.42,49 63.35,49 62.87,48.53 U17.7
  Bottom w0.25: v1(76.08,60.48) 71.71,64.85 71.71,83.61 v1(70.98,84.34) ; v1(91.54,91.47) 98.5,98.43 v1(98.65,98.43)
Net-(U20-Pad10): length 11.2
  Bottom w0.25: 127,57.78 128.05,58.83 128.05,66.45 129.54,67.94
Net-(U23-Pad13): length 74.2
  Top w0.25: U23.13 121.92,110.75 106.11,110.75 v1(105.88,110.97) ; U24.9 63.52,94.41 68.45,89.48 74.12,89.48 78.19,93.55 89.57,93.55 v1(90.02,93.1)
  Bottom w0.25: v1(90.02,93.1) 90.25,93.1 97.78,100.64 97.78,102.87 v1(105.88,110.97)
Net-(U25-Pad11): length 24.5
  Top w0.25: U25.22 50.9,121.31 53.13,119.08 67.63,119.08 71.22,115.5 U25.11
Net-(U27-Pad1): length 40.4
  Top w0.25: U28.11 168.27,85.36 175.89,85.36 U28.8
  Bottom w0.25: U27.1 189.24,63.77 186.31,63.77 174.76,75.32 174.76,81.18 175.89,82.3 U28.8

## Copper pours and planes (outline as drawn; the poured copper is in the pictures)
GND on Top, Bottom: 240.46,-4.85 0.94,-5.46 1.57,162.69 1.55,162.69 246.05,163.73
GND on Top, Bottom: 238.1,-3.99 0.53,-3.78 1.07,159.46 1.07,159.44 240.16,161.98

## Text on the board
